# Altium PCB 3-as-manufactured.PcbDoc (part 8 of 16) (continued)
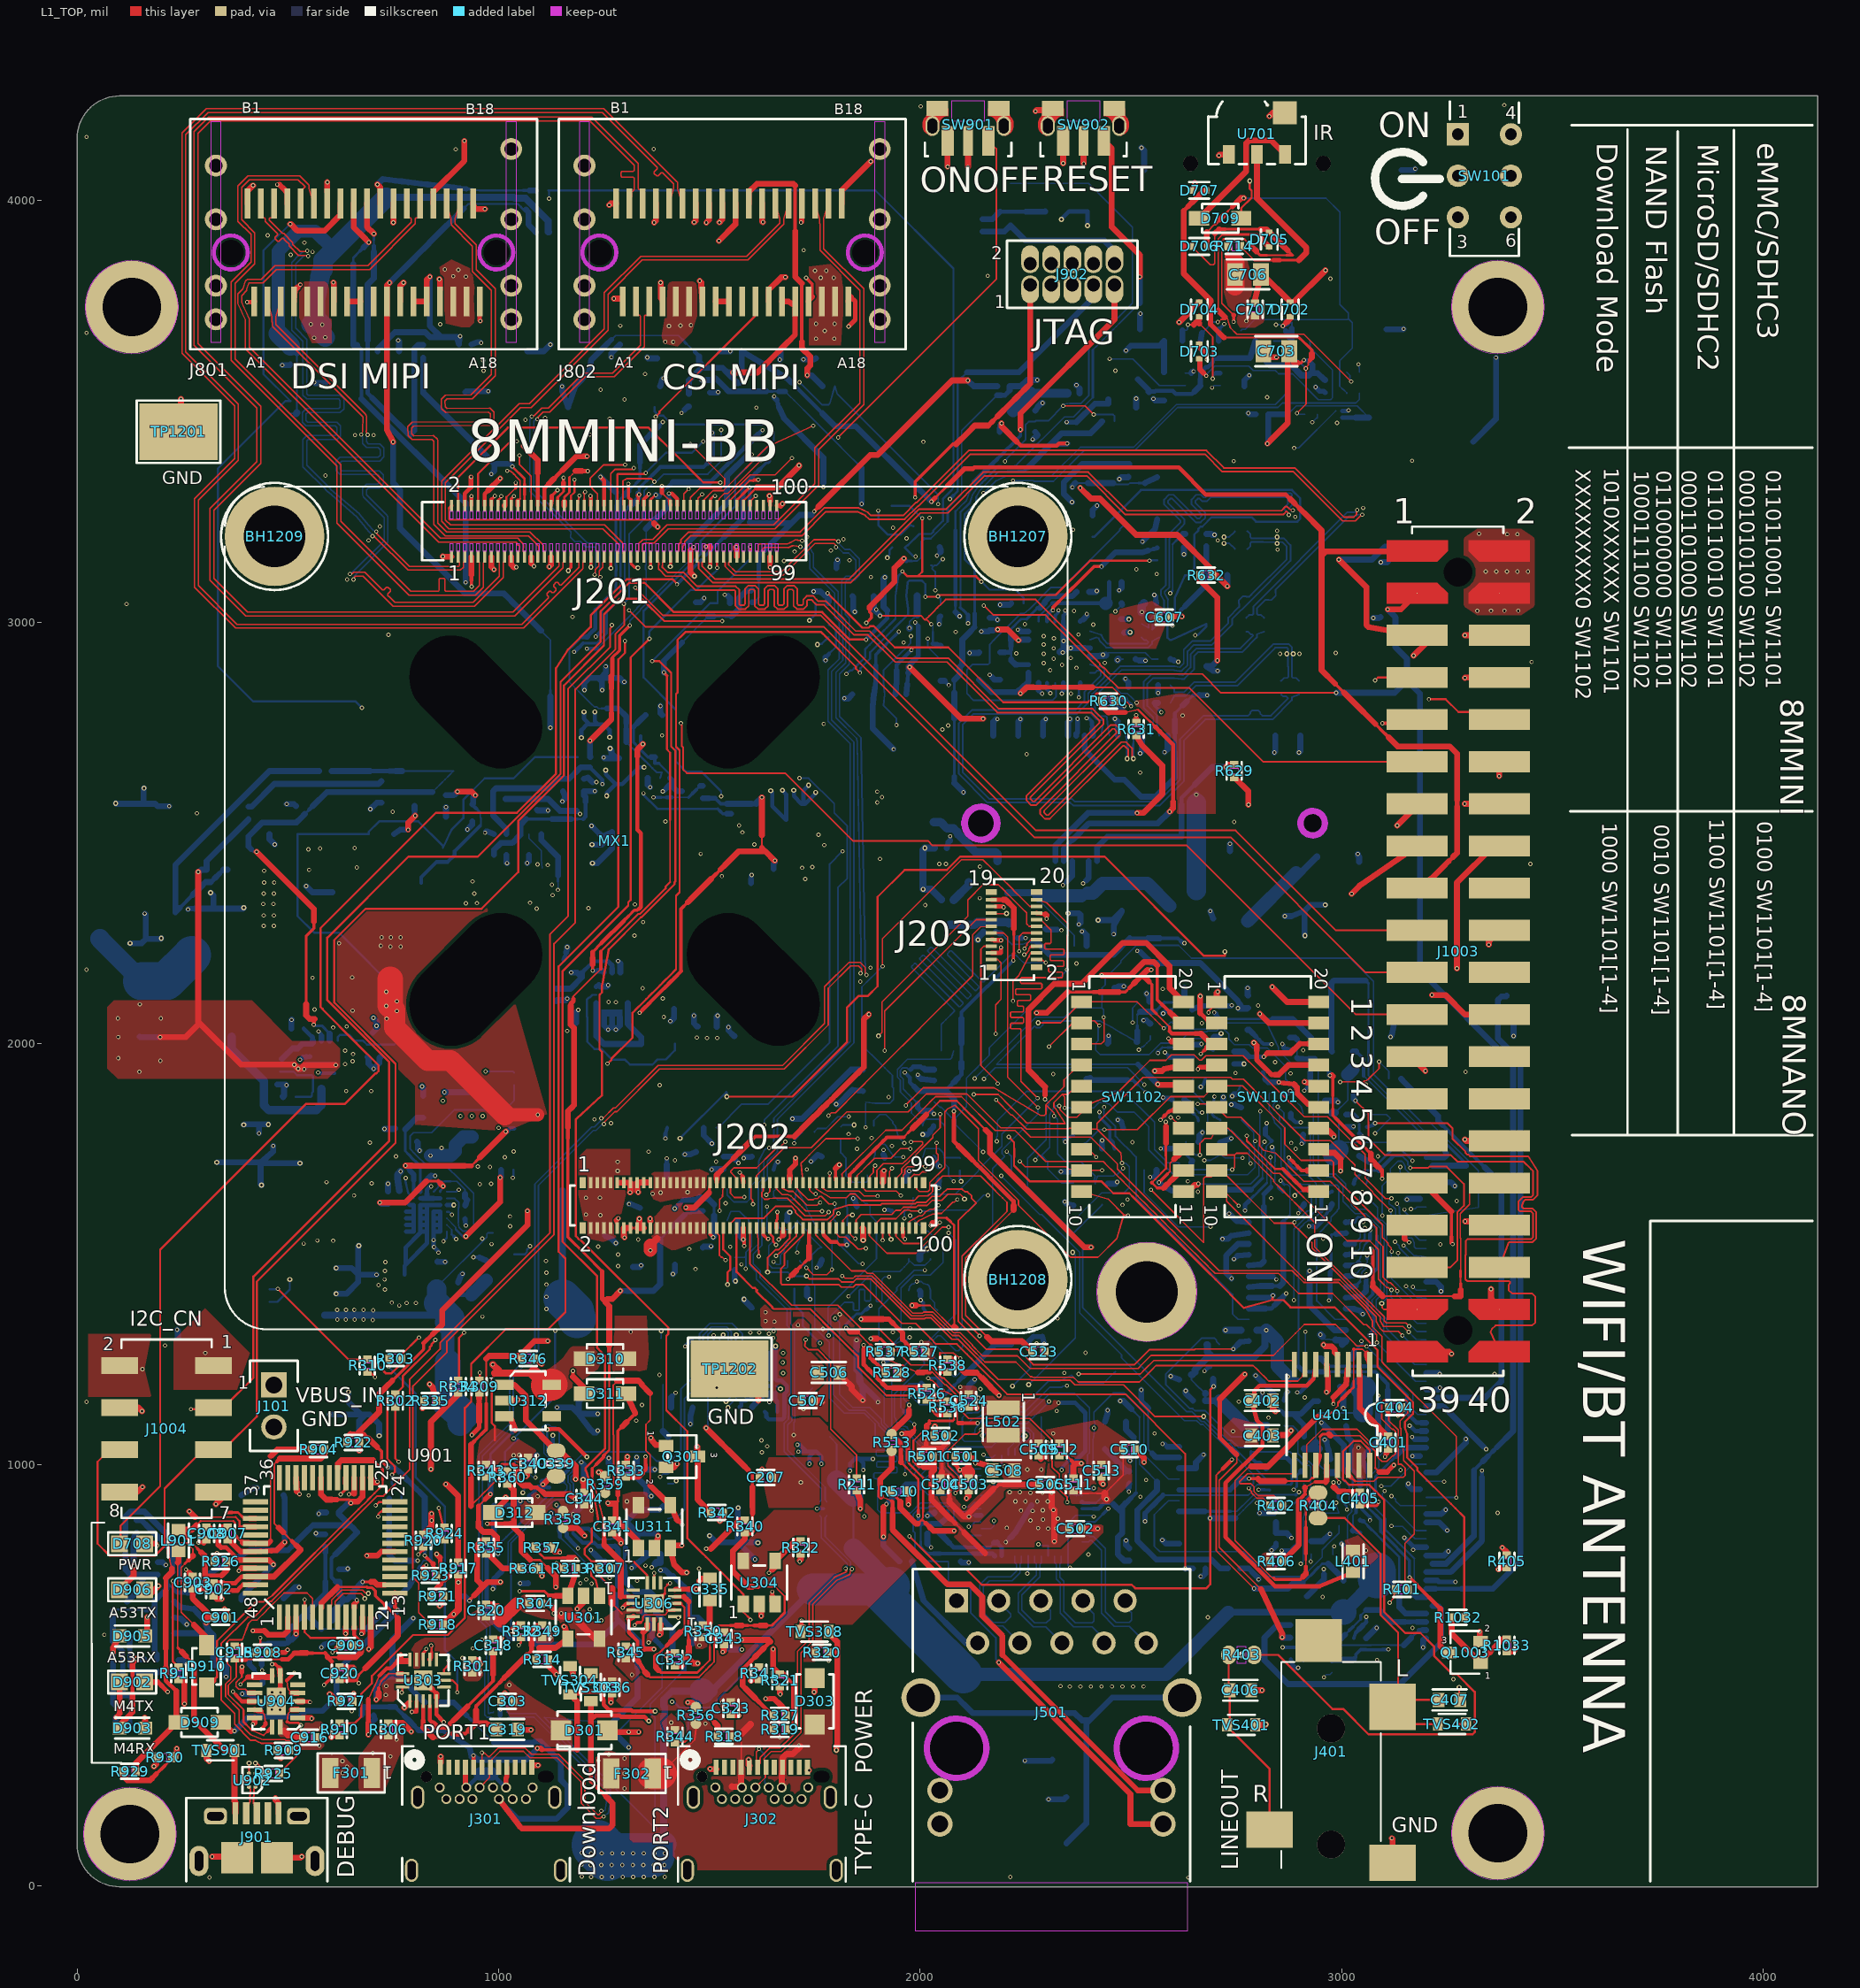
[diagram p0: L1_TOP view]
## Nets (pads, with @x,y where several pads share a name; then routed paths per layer and width w, separated by ;. In a path a pad name is that pad's centre, name@x,y a point inside that pad or via, vN(x,y) a via of type N, cw(c..) or ccw(c..) an arc to the next point about the centre after c; other vN are vias at no path point) (continued)
  L3_INT w9.96: 2215.86,3455.02 2225.7,3464.87 2235.55,3474.72 v1(2347.65,3474.72)
  L3_INT w10.99: v1(1639.06,3391.28) 1650.86,3391.28
  L3_INT w14.05: 1650.86,3391.28 1674.45,3391.28 1690.78,3407.62 2168.44,3407.62 2173.99,3413.16 2176.46,3415.62 2186.31,3425.47 2196.16,3435.32 2206.01,3445.17 2215.86,3455.02
  L8_BOT w4.85: 1479.74,3147.43 1490.8,3158.49
  L8_BOT w6.9: 1579.26,3322.67 1589.23,3332.64 ; 1629.09,3372.5 1638.45,3381.86
  L8_BOT w7.92: v1(1423,3090) 1437.39,3104.39 1437.39,3105.08 1446.57,3114.26 1457.62,3125.32 1468.68,3136.37 1479.74,3147.43 ; 1490.8,3158.49 1501.86,3169.55 ; 1512.91,3180.61 1523.97,3191.66 ; 1589.23,3332.64 1599.19,3342.6 ; 1619.13,3362.54 1629.09,3372.5
  L8_BOT w8.94: 1523.97,3191.66 1535.03,3202.72
  L8_BOT w9.96: 1501.86,3169.55 1512.91,3180.61 ; 1599.19,3342.6 1609.16,3352.57
  L8_BOT w10.99: 1609.16,3352.57 1619.13,3362.54
  L8_BOT w12.01: v1(2347.65,3474.72) 2370.71,3474.73
  L8_BOT w13.03: 1568.2,3235.9 1579.26,3246.95 1579.26,3322.67
  L8_BOT w14.05: 1535.03,3202.72 1546.09,3213.78 1557.15,3224.84 1568.2,3235.9 ; 1638.45,3381.87 1639.06,3382.48 v1(1639.06,3391.28) ; 2370.71,3474.73 2414.65,3518.66 2446.46,3518.66 R713.2@2446.44,3528.46
NetD709_C: D709.C U701.1 | length 333.7
  L1_TOP w14.05: D709.C@2661.86,3958.26 2773.63,4070.01 2773.63,4136.67 2780.34,4143.38 2832.55,4143.38 U701.1@2866.01,4109.92
NetD902_A: D902.A R902.1 | length 116.6
  L1_TOP w10.99: v1(91.05,400.59) 100.12,409.66
  L1_TOP w14.05: 100.12,409.66 D902.A@100.11,484.53
  L8_BOT w14.05: v1(91.05,400.59) 91.05,373.97 R902.1@92.7,372.33
NetD903_A: D903.A R903.1 | length 199.7
  L1_TOP w9.96: 130.71,452.57 130.71,514.38
  L1_TOP w14.05: D903.A@99.6,375.09 103.29,385.48 130.71,412.9 130.71,452.57 ; 130.71,514.38 130.71,529.84 v1(140.54,539.66)
  L8_BOT w10.99: v1(140.54,539.66) v1@142.07,539.66
  L8_BOT w14.05: v1@142.07,539.66 143.38,538.35 R903.1@159.05,538.34
NetD905_A: D905.A R915.1 | length 190.2
  L1_TOP w14.05: v1(84.73,554.86) 84.74,566.01 D905.A@99.6,593.97
  L8_BOT w14.05: v1(84.73,554.86) 84.73,434.55 95.32,423.96 R915.1@107.46,423.97
NetD906_A: D906.A R916.1 | length 151.3
  L1_TOP w14.05: D906.A@100.11,703.41 133.48,736.8 v1(133.48,759.5)
  L8_BOT w14.05: v1(133.48,759.5) 133.48,826.77 R916.1@140.63,839.01
NetD907_C: D907.C R919.1 | length 156.7
  L8_BOT w8.94: 2189.4,3974.37 2235.26,3974.37
  L8_BOT w9.96: 2235.26,3974.37 2250.55,3974.37
  L8_BOT w14.05: R919.1@2147.85,3956.42 2171.45,3956.42 2189.4,3974.37 ; 2250.55,3974.37 2296.41,3974.37 D907.C@2296.91,3974.86
NetD909_C: D909.C D910.C R929.1 | length 933
  L1_TOP w3.5: 215.79,789.13 218.55,777.25 221.3,765.36 223.92,754.06 ; 218.36,814.8 259.07,814.8 274.04,799.83 274.04,784.14
  L1_TOP w3.83: 255.15,765.26 246.36,756.47 246.36,650.43 276.44,620.35
  L1_TOP w6.9: 215.79,789.13 215.79,812.24 218.36,814.8 ; 255.15,765.26 263.94,774.04
  L1_TOP w9.96: 209.81,503.13 209.81,487.92 234.55,463.18 ; 209.81,518.35 209.81,563.99 ; 209.81,700.92 209.81,731.35
  L1_TOP w10.99: 263.94,774.04 272.73,782.83
  L1_TOP w14.05: R929.1@138.8,272.72 138.8,291.73 235.99,388.92 D909.C@239.93,388.93 234.55,394.32 234.55,463.18 ; 209.81,503.13 209.81,518.35 ; 209.81,563.99 209.81,700.92 ; 209.81,731.35 223.92,745.46 223.92,754.06 ; 272.73,782.83 274.04,784.14 ; 276.44,620.35 306.51,590.28 D910.C@306.51,571.77
NetJ501_2: J501.2 R503.2 | length 266.9
  L8_BOT w14.05: R503.2@1980.13,770.76 2008.04,677.69 2108.28,577.44 J501.2@2136.26,577.44
NetJ801_A8: J801.A8 J801.A9 | length 31.5
  L1_TOP w14.05: J801.A8@639.69,3761.22 J801.A9@671.19,3761.22
NetJ802_A8: J802.A8 J802.A9 | length 31.5
  L1_TOP w14.05: J802.A8@1514.26,3761.22 J802.A9@1545.76,3761.22
NetJ902_7: J902.7 R921.1 | length 3924.2
  L1_TOP w3.5: 860.97,757.52 880.42,738.07
  L1_TOP w5.87: R921.1@841.92,696.86 851.88,706.82
  L1_TOP w6.9: 861.85,716.78 871.81,726.74
  L1_TOP w8.94: 860.97,757.52 860.97,768.64
  L1_TOP w9.96: R921.1@839.18,687.75 R921.1@841.92,696.86
  L1_TOP w10.99: 860.97,768.64 860.97,779.76
  L1_TOP w12.01: 851.88,706.82 861.85,716.78 ; 871.81,726.74 880.42,735.36
  L1_TOP w13.03: v1(852.52,788.21) 860.97,779.76
  L1_TOP w14.05: 880.42,735.36 880.42,738.07
  L3_INT w14.05: v1(2070.31,3292.3) 2070.31,2990.65 v1(2084.23,2976.73)
  L6_INT w3.5: 1995.65,2327.27 1995.65,2360.74 1995.25,2361.13 1995.25,2370.87 1995.65,2371.26 1995.65,2484.56 1995.65,2563.21 1917.97,2640.89 1917.97,2746.95 1929.05,2758.03 1940.13,2769.12 1973.39,2802.37 1984.47,2813.45 1995.56,2824.54 2017.73,2846.71 2028.81,2857.79 2039.89,2868.88 2073.15,2902.13 2084.23,2913.21
  L6_INT w4.85: 988.3,1081.5 999.37,1092.57 ; 1043.65,1136.85 1054.72,1147.92 1065.79,1158.99 ; 1331.49,1424.69 1364.7,1457.91 ; 1473.99,1617.1 1483.64,1626.75 ; 1531.89,1721.36 1531.89,1736.81
  L6_INT w5.87: 999.37,1092.57 1010.44,1103.64 1021.51,1114.71 1032.58,1125.78 1043.65,1136.85 ; 1065.79,1158.99 1242.92,1336.13 1254,1347.2 1265.07,1358.27 1276.14,1369.34 1287.21,1380.41 1298.28,1391.48 1309.35,1402.55 1331.49,1424.69 ; 1522.24,1665.35 1531.89,1675 1531.89,1721.36
  L6_INT w7.92: 977.23,1070.43 988.3,1081.5 ; 1483.64,1626.75 1512.59,1655.7 ; 1531.89,1736.81 1620.44,1825.36 ; 1631.5,1836.43 1841.8,2046.73
  L6_INT w8.94: 966.16,917.6 966.16,1059.36 977.23,1070.43 ; 1442.2,1535.4 1453.27,1546.47
  L6_INT w9.96: 1431.13,1524.33 1442.2,1535.4
  L6_INT w13.03: 1512.59,1655.7 1522.24,1665.35
  L6_INT w14.05: v1(852.52,788.21) 966.16,901.85 966.16,917.6 ; 1364.7,1457.91 1431.13,1524.33 ; 1453.27,1546.47 1473.99,1567.19 1473.99,1617.1 ; 1620.44,1825.36 1631.5,1836.43 ; 1841.8,2046.73 1841.8,2173.43 1995.65,2327.27 ; 2084.23,2913.21 v1(2084.23,2976.73)
  L8_BOT w4.85: 2078.94,3300.93 2089.09,3311.08 2089.09,3570.99 2096.77,3578.67 2104.45,3586.34 2111.34,3593.23
  L8_BOT w7.92: v1(2070.31,3292.3) 2078.94,3300.92
  L8_BOT w14.05: 2111.34,3593.23 2234.46,3593.23 2410.96,3769.73 J902.7@2410.96,3790.18
NetJ902_9: J902.9 R922.1 R923.1 | length 4207.6
  L1_TOP w6.9: 721.8,1019.97 721.8,1008.28 728.8,1001.28 v1(735.8,994.29) ; 747.85,1200.36 758.41,1210.92 768.97,1221.48 779.53,1232.04 790.09,1242.6 800.65,1253.16 811.2,1263.71 821.76,1274.27 821.76,1288.88
  L1_TOP w7.92: 680.73,1072.74 691,1062.47 ; 711.53,1041.93 721.8,1031.67 721.8,1019.97 ; v1(824.32,784.8) 824.32,784.41 843.95,764.78
  L1_TOP w8.94: 843.95,764.77 848.4,749.91 R923.1@852.11,737.56
  L1_TOP w9.96: 656.35,1072.74 664.97,1072.74 ; 664.97,1074.44 664.97,1072.74 ; 680.73,1072.74 664.97,1072.74
  L1_TOP w10.99: 821.76,1288.88 843.61,1310.73
  L1_TOP w12.01: 647.72,1072.74 656.35,1072.74
  L1_TOP w13.03: 737.29,1189.8 747.85,1200.36 ; 843.61,1310.73 854.54,1321.65
  L1_TOP w14.05: R922.1@640.12,1052.99 640.12,1065.13 647.72,1072.74 ; 664.97,1074.44 716.17,1125.65 716.17,1168.68 726.73,1179.24 737.29,1189.8 ; 691,1062.47 701.27,1052.2 711.53,1041.93 ; 854.54,1321.65 865.46,1332.57 865.46,1366.26 1068.03,1568.83 v1(1068.03,1602.52) ; v1(2238.02,3456.92) 2238.02,3495.51 2460.96,3718.46 J902.9@2460.96,3790.18
  L6_INT w3.5: 1909.88,2629.58 1909.88,2758.26
  L6_INT w3.83: 1909.88,2629.58 1920.17,2619.29 1971.64,2567.82 ; 1909.88,2758.26 1920.95,2769.33
  L6_INT w5.87: 1429,2303.6 1429,1998.45 1438.94,1988.52
  L6_INT w6.9: 1429,2303.6 1456.4,2331
  L6_INT w9.96: 1438.94,1973.04 1438.94,1988.52
  L6_INT w14.05: v1(1068.03,1602.52) 1068.03,1602.67 1076.27,1610.91 1123.24,1610.91 ; 1123.25,1610.92 1438.94,1926.61 1438.94,1973.04 ; 1456.4,2331 1769.98,2331 1971.72,2532.74 1971.72,2567.74 1971.64,2567.82 ; 1920.95,2769.33 2064.89,2913.27 2064.89,2985.55 v1(2093.58,3014.23)
  L8_BOT w3.5: 2109.97,3288.92 2113.15,3297.87 2116.33,3306.81
  L8_BOT w3.83: 2083.68,3262.63 2092.44,3271.39 2109.97,3288.92 ; 2116.33,3306.81 2122.3,3315.33 2128.27,3323.85 2128.27,3332.82
  L8_BOT w5.87: 2083.68,3024.13 2083.68,3039.04 ; 2083.68,3217.91 2083.68,3262.63
  L8_BOT w6.9: 2083.68,3039.04 2083.68,3053.95
  L8_BOT w7.92: v1(824.32,784.8) 824.32,830.91 ; 2183.15,3387.69 2194.12,3398.66 2205.1,3409.64 2216.07,3420.61 2227.05,3431.59 2238.02,3442.56 v1(2238.02,3456.92)
  L8_BOT w8.94: 2083.68,3053.95 2083.68,3113.57 2083.68,3217.91
  L8_BOT w9.96: 2172.17,3376.71 2183.15,3387.69
  L8_BOT w10.99: 2161.2,3365.74 2172.17,3376.71
  L8_BOT w12.01: 744.47,994.29 753.15,994.29 763.32,984.12 ; 783.65,963.79 793.82,953.62 803.99,943.45
  L8_BOT w13.03: v1(735.8,994.29) 744.47,994.29 ; 803.99,943.45 814.15,933.29 ; 2128.27,3332.82 2161.2,3365.74
  L8_BOT w14.05: 763.32,984.12 773.49,973.95 783.65,963.79 ; 814.15,933.29 824.32,923.12 824.32,830.91 ; 2083.68,3024.13 v1(2093.58,3014.23)
NetJ1001_2: J1001.2 R1028.1 | length 400.3
  L8_BOT w3.5: 3052.12,1923.45 3207.87,1767.7
  L8_BOT w7.92: R1028.1@3034.83,1980.85 3052.11,1963.56 3052.11,1923.46 ; 3221.36,1767.7 3239.88,1749.18
  L8_BOT w12.01: J1001.2@3200.73,1729.81 J1001.2@3215.14,1729.8 ; 3207.87,1767.7 3221.36,1767.7 ; 3239.88,1749.18 3249.14,1739.92 3249.14,1734.96
  L8_BOT w14.05: R1028.1@3027.05,1980.85 R1028.1@3034.83,1980.85 ; J1001.2@3215.7,1729.8 3243.98,1729.8 3249.14,1734.96
NetJ1001_3: J1001.3 R1027.1 | length 878.4
  L8_BOT w3.5: 3063.77,1923.96 3207.34,1780.39 3230.1,1780.39
  L8_BOT w3.83: 3063.77,1923.96 3063.77,1970.77
  L8_BOT w4.85: 3063.77,2017.59 3063.77,2142.44
  L8_BOT w6.9: 3056.49,2149.72 3063.77,2142.44 ; 3063.77,1970.77 3063.77,2017.59 ; 3230.1,1780.39 3295.34,1715.15 3295.34,1710.13
  L8_BOT w14.05: R1027.1@2977.28,1980.85 2975.37,1982.76 2975.37,2143.02 2982.07,2149.72 3056.49,2149.72 ; J1001.3@3215.7,1710.12 3295.33,1710.12
NetJ1001_31: J1001.31 R1009.1 | length 996.3
  L8_BOT w7.92: 3239.8,1805.9 3339.92,1705.78
  L8_BOT w13.03: 3228.86,1816.84 3239.8,1805.9
  L8_BOT w14.05: R1009.1@3141.33,1916.27 3143.31,1914.27 3143.31,1913.3 3228.86,1827.74 3228.86,1816.84 ; J1001.31@3215.7,1158.94 3340.17,1158.94 3379,1197.76 3379,1666.7 3339.92,1705.78
NetJ1001_34: J1001.34 R1010.1 | length 346.5
  L8_BOT w6.9: 2983.99,1234.13 3042.57,1234.13 ; 3071.86,1234.13 3086.5,1234.13
  L8_BOT w7.92: 2969.34,1234.13 2983.99,1234.13 ; 3057.21,1234.13 3071.86,1234.13 ; 3086.5,1234.13 3096.3,1224.33 3106.1,1214.53 3155.11,1165.52 3155.11,1123.02
  L8_BOT w8.94: 2960.3,1243.17 2969.34,1234.13 ; 3042.57,1234.13 3057.21,1234.13
  L8_BOT w9.96: 3155.11,1123.02 3162.82,1115.31 3170.52,1107.6 3178.23,1099.89
  L8_BOT w10.99: 3178.24,1099.88 J1001.34@3189.48,1099.88
  L8_BOT w14.05: R1010.1@2942.27,1252.21 2951.27,1252.2 2960.3,1243.17 ; J1001.34@3189.48,1099.88 J1001.34@3200.73,1099.89
NetJ1001_35: J1001.35 R1011.1 | length 441.8
  L3_INT w5.87: v1(2886.1,941.14) 2896.37,951.41
  L3_INT w8.94: 3027.68,1055.29 3028.86,1054.11 3043.76,1054.11 ; 3103.34,1054.11 3122.11,1054.11 3145.05,1077.05 3145.5,1077.05 v1(3161.45,1093)
  L3_INT w9.96: 3043.76,1054.11 3058.65,1054.11
  L3_INT w12.01: 2896.37,951.41 2906.64,961.68
  L3_INT w14.05: 2906.64,961.68 2947.72,1002.76 2957.99,1013.03 2999.07,1054.11 3013.96,1054.11 3015.14,1055.29 3027.68,1055.29 ; 3058.65,1054.11 3103.34,1054.11
  L8_BOT w5.87: v1(2886.1,941.14) 2893.54,948.59 2893.54,974.48
  L8_BOT w6.9: 2893.54,974.48 R1011.1@2903.8,984.74
  L8_BOT w9.96: v1(3161.45,1093) 3174.22,1080.23 J1001.35@3187.81,1080.23
  L8_BOT w14.05: R1011.1@2903.8,984.74 R1011.1@2910.92,984.74 ; J1001.35@3187.84,1080.2 J1001.35@3200.73,1080.21
NetJ1001_36: J1001.36 R1012.1 | length 461.2
  L3_INT w7.92: v1(3167,1066) 3167.56,1066 3176.12,1057.44 3176.44,1057.44
  L3_INT w13.03: v1@3000.08,812.49 3013.51,812.49 ; 3094.44,853.14 3104.6,863.3 3114.76,873.46 ; 3145.69,904.39 3156,914.7
  L3_INT w14.05: 3013.51,812.49 3053.8,812.49 ; 3053.81,812.5 3074.12,832.82 3084.28,842.98 3094.44,853.14 ; 3114.76,873.46 3125.07,883.77 3145.69,904.39 ; 3156,914.7 3166.31,925.01 3176.62,935.32 3186.93,945.63 3197.24,955.94 3207.55,966.25 3217.86,976.56 3217.86,1016.01 3217.82,1016.06 3207.48,1026.4 3197.13,1036.75 3186.78,1047.1 3176.44,1057.44
  L8_BOT w9.96: v1(3167,1066) 3172.5,1060.51 3173.37,1060.51
  L8_BOT w14.05: v1(3000.08,812.49) 3007.5,805.07 3007.5,790.54 R1012.1@3008.62,787.36 ; 3173.37,1060.51 J1001.36@3200.73,1060.52
NetJ1001_37: J1001.37 R1013.1 | length 393.4
  L3_INT w3.83: 3016.29,879.71 3027.2,890.63 3038.12,901.54 3049.03,912.45
  L3_INT w5.87: 2981.95,846.97 2983.54,846.97 2994.46,857.88 3005.38,868.8 3016.29,879.71
  L3_INT w7.92: v1(2972,835.98) 2972,836.54 2981.95,846.49 2981.95,846.97
  L3_INT w8.94: 3049.03,912.45 3059.58,923 v1(3078,923)
  L8_BOT w4.85: 3109.82,1001.97 3119.53,1011.68
  L8_BOT w5.87: 3080.67,937.3 3080.67,972.82 3109.82,1001.97
  L8_BOT w6.9: 3119.53,1011.68 3129.25,1021.4
  L8_BOT w9.96: v1(3078,923) 3078.01,934.64 3080.67,937.3
  L8_BOT w13.03: 3161.69,1040.83 3174.7,1040.83
  L8_BOT w14.05: R1013.1@2927.51,818.73 2954.74,818.72 v1(2972,835.98) ; 3129.25,1021.4 3148.68,1040.83 3161.69,1040.83 ; 3174.7,1040.83 J1001.37@3200.73,1040.84
NetJ1001_46: J1001.46 R1003.1 R1004.1 | length 895.2
  L6_INT w5.87: 3174.44,578.95 3205.2,578.95 ; 3236.61,793.67 3247.34,782.93
  L6_INT w6.9: 3247.34,782.93 3258.08,772.2
  L6_INT w14.05: v1(3111,562) 3127.95,578.95 3174.44,578.95 ; 3205.2,578.95 3374.4,578.95 3435.93,578.95 3440.58,583.6 3440.58,589.7 3429.84,600.43 3419.1,611.17 3408.37,621.9 3397.63,632.64 3386.9,643.38 3376.16,654.11 3365.43,664.85 3311.75,718.52 3301.02,729.26 3290.28,739.99 3279.55,750.73 3268.81,761.46 3258.08,772.2 ; 3236.61,793.67 3236.61,801.46 3250.33,815.18 v1(3250.33,844.43)
  L8_BOT w6.9: 3057.33,561.3 3097.32,561.3
  L8_BOT w7.92: R1004.1@3028.87,538.34 3033.91,543.38 3033.91,549.97 3045.24,561.3 3057.33,561.3 ; 3097.32,561.3 3097.62,561.6 3110.6,561.6 v1(3111,562)
  L8_BOT w14.05: R1003.1@2977.28,536.5 2978.21,537.42 3027.95,537.42 R1004.1@3028.87,538.34 ; J1001.46@3200.73,863.67 3231.09,863.66 v1(3250.33,844.43)
NetJ1001_52: J1001.52 R1019.1 | length 1336.8
  L6_INT w3.83: 3110.54,1694.72 3119.32,1694.72 3331.67,1482.37 3331.67,1407.8 ; 3331.67,1018.81 3331.67,1049.93
  L6_INT w6.9: 3086.52,1694.72 3110.54,1694.72
  L6_INT w13.03: v1(3049.9,1778.6) 3058.28,1770.23
  L6_INT w14.05: 3058.28,1770.23 3068.94,1759.57 3068.94,1712.31 3086.52,1694.72 ; 3331.67,1018.81 3331.67,987.68 v1(3333.1,986.25) ; 3331.67,1049.93 3331.67,1407.8
  L8_BOT w5.87: 3041.82,1816.15 3041.88,1801.36 3041.93,1786.57
  L8_BOT w8.94: 3333.1,970.78 v1(3333.1,986.25)
  L8_BOT w10.99: 3034.19,1823.78 3041.82,1816.15 ; 3041.93,1786.57 v1(3049.9,1778.6)
  L8_BOT w14.05: R1019.1@3010.45,1831.42 3026.55,1831.42 3034.19,1823.78 ; J1001.52@3200.73,745.56 3258.55,745.55 3333.1,820.11 3333.1,970.78
NetJ1001_53: J1001.53 R1020.1 | length 338.7
  L3_INT w14.05: v1(3083,613) 3192.43,722.43 v1(3270.08,722.43)
  L8_BOT w10.99: 3226.55,725.87 3229.99,722.43 v1(3270.08,722.43)
  L8_BOT w14.05: R1020.1@3058.39,588.15 3058.39,589.14 3082.24,613 v1(3083,613) ; J1001.53@3200.73,725.88 3226.55,725.87
NetJ1001_54: J1001.54 R1021.1 | length 1630.3
  L8_BOT w9.96: J1001.54@3222.72,706.18 3285.01,706.18
  L8_BOT w14.05: J1001.54@3200.73,706.19 J1001.54@3222.72,706.18 ; 3285.01,706.18 3359.18,706.18 3424.11,771.11 3424.11,1958.92 3370.56,2012.48 3370.56,2103.14 3379.09,2111.67 3390.04,2111.67 R1021.1@3391.99,2113.65
NetJ1001_55: J1001.55 R1022.1 | length 1288.9
  L8_BOT w3.5: 2897.92,1233.23 2897.92,1341.65 2897.92,1558.5 ; 2908.47,1569.05 2908.47,1569.91 2912.22,1573.66 2921.41,1580.73 ; 3104.8,871.92 3095.56,881.17 3086.31,890.41 3067.25,909.48 3067.25,973 3088.39,994.14 3088.39,1019.59 3098.55,1029.75 3107.45,1029.75 3109.43,1027.77 3110.85,1029.19 3110.85,1033.81
  L8_BOT w3.83: 2897.92,1558.5 2904.95,1565.53 2908.47,1569.05 ; 3172.17,691.8 3172.17,777.91
  L8_BOT w4.85: 2931,1580.73 2951.66,1601.39 ; 3104.8,871.92 3104.8,845.28 3114.42,835.66 3124.05,826.03 3133.67,816.41 3143.3,806.78 3172.17,777.91
  L8_BOT w5.87: 2921.41,1580.73 2931,1580.73 ; 2962.49,1642.14 R1022.1@2969.89,1645.47
  L8_BOT w6.9: 2956.61,1220.92 2987.54,1220.92 ; 3033.92,1220.92 3064.85,1220.92
  L8_BOT w7.92: 2910.22,1220.92 2941.15,1220.92 ; 2987.54,1220.92 3018.46,1220.92 ; 3064.85,1220.92 3080.31,1220.92
  L8_BOT w8.94: 2951.66,1601.39 2951.66,1631.31 2962.49,1642.14 ; R1022.1@2969.89,1645.47 R1022.1@2977.28,1648.8 ; 3018.46,1220.92 3033.92,1220.92 ; 3080.31,1220.92 3090.02,1211.22 3099.73,1201.51 3109.43,1191.8 3109.43,1177.31
  L8_BOT w10.99: 2904.07,1227.08 2910.22,1220.92
  L8_BOT w12.01: 2897.92,1233.23 2904.07,1227.08 ; 2941.15,1220.92 2956.61,1220.92
  L8_BOT w14.05: 3109.43,1177.31 3109.43,1035.23 3110.85,1033.81 ; 3172.17,691.8 3177.48,686.5 J1001.55@3200.73,686.51
NetJ1001_56: J1001.56 R1023.1 | length 712.6
  L8_BOT w14.05: R1023.1@2877.74,619.51 2846.51,619.51 2817,590 2817,536 2873.14,479.86 3137.93,479.86 3235.76,577.68 3235.76,657.54 3228.13,665.17 J1001.56@3215.7,665.17
NetJ1001_57: J1001.57 R1024.1 | length 317.9
  L8_BOT w4.85: R1024.1@3051.69,866.1 3062.33,855.46 ; 3072.97,844.83 3094.25,823.55
  L8_BOT w5.87: 3094.25,823.55 3136.8,780.99 3136.8,706.63
  L8_BOT w6.9: 3062.33,855.46 3072.97,844.83
  L8_BOT w10.99: R1024.1@3043.63,868.53 R1024.1@3051.69,866.1
  L8_BOT w14.05: 3136.8,706.63 3136.8,662 3151.68,647.13 J1001.57@3200.73,647.13
NetJ1001_58: J1001.58 R1025.1 | length 286.5
  L8_BOT w4.85: 3008.63,597.29 3017.76,606.42 ; 3026.9,615.56 3045.17,633.83 ; 3045.17,642.52 3058.2,655.55
  L8_BOT w7.92: 3017.76,606.42 3026.9,615.56 ; 3045.17,633.83 3045.17,642.52
  L8_BOT w10.99: 3164.63,627.44 J1001.58@3178.74,627.44
  L8_BOT w12.01: 3150.51,627.44 3164.63,627.44
  L8_BOT w13.03: 2999.49,588.15 3008.63,597.29
  L8_BOT w14.05: R1025.1@2958.86,588.15 2999.49,588.15 ; 3058.2,655.55 3090.31,655.55 3118.41,627.44 3150.51,627.44 ; J1001.58@3178.74,627.44 J1001.58@3200.73,627.45
NetJ1001_59: J1001.59 R1026.1 | length 321.8
  L8_BOT w3.5: 2944.69,572.2 3069.85,572.2 3070.4,572.75 3115.45,572.75 3116,572.2 3147.46,572.2
  L8_BOT w5.87: 3165.23,589.98 3175.69,600.43 3176.39,600.43 3183.01,607.05 J1001.59@3183.01,607.75
  L8_BOT w6.9: 2936.23,563.74 2944.69,572.2
  L8_BOT w9.96: J1001.59@3183.01,607.75 J1001.59@3191.86,607.75
  L8_BOT w14.05: R1026.1@2909.09,538.34 2911.07,540.32 2911.07,541.31 2933.49,563.74 2936.23,563.74 ; 3147.46,572.2 3165.23,589.98 ; J1001.59@3191.87,607.76 J1001.59@3200.73,607.77
NetJ1003_35: J1003.35 R1017.2 | length 616.1
  L1_TOP w4.2: v1(3163,1705) 3205.4,1705 3208.25,1707.85 3249.08,1707.85 3290,1666.94 3290,1614.7 3274.45,1599.15 3274.45,1535.52 3274.53,1535.44 3274.53,1485.33 3257.99,1468.78 J1003.35@3179.19,1468.79
  L8_BOT w3.83: 3121.91,1732.34 3144.09,1732.34 3157.37,1719.06 3157.37,1712.3 3163,1706.67 v1(3163,1705)
  L8_BOT w5.87: 3053.37,1698.84 3088.41,1698.84
  L8_BOT w6.9: 3031.92,1677.39 3053.37,1698.84
  L8_BOT w8.94: 3088.68,1699.1 3121.91,1732.34
  L8_BOT w9.96: R1017.2@3028.87,1667.25 3031.92,1677.39
  L8_BOT w14.05: 3088.41,1698.84 3088.67,1699.1
NetJ1003_36: J1003.36 R1014.1 | length 818.8
  L1_TOP w4.2: v1(3079.16,1811.12) 3250.54,1811.12 3263.15,1798.52 3263.15,1773.97 3293.82,1743.3 3293.82,1740.58 3298.36,1736.04 3301.08,1736.04 3305.11,1732 3443,1732 3465,1696.96 3465,1640.58 3453.26,1628.84 3435.03,1628.84 3432.29,1626.1 3428.29,1615.29 3428.29,1611.83 3429.26,1610.86 3431.38,1608.74 3452.76,1608.74 3461.87,1599.64 3461.87,1537.45 3452.91,1528.49 3397.89,1528.49 3395.15,1525.75 J1003.36@3374.07,1468.79
  L8_BOT w8.94: R1014.1@3060.22,1801.9 3074.1,1806.07
  L8_BOT w9.96: 3074.1,1806.07 v1(3079.16,1811.12)
NetJ1003_37: J1003.37 R1018.2 | length 358.6
  L1_TOP w3.5: v2(3095,1383.23) 3096.32,1381.92 3096.32,1372.68 3100.21,1368.79 J1003.37@3179.19,1368.79
  L8_BOT w3.5: R1018.2@3072.84,1624.38 3072.84,1623.38 3085.51,1610.71 3085.51,1586.79 3091.77,1580.54 3096.1,1580.54 3107.25,1569.39 3107.25,1395.48 v2(3095,1383.23)
NetJ1003_38: J1003.38 R1015.1 | length 744.3
  L1_TOP w14.05: v1(3354.41,1417.05) 3354.41,1395.32 3355.94,1393.78 J1003.38@3374.07,1368.79
  L3_INT w8.94: v1(2903,1812.76) 2903.2,1812.96 2903.96,1812.96 2905.46,1814.46 2929.57,1814.46
  L3_INT w12.01: 2929.57,1814.46 2942.48,1814.46
  L3_INT w14.05: 2942.48,1814.46 2986.78,1814.46 3068.94,1732.3 v1(3085.99,1732.3)
  L6_INT w4.85: 3120.82,1710.05 3120.82,1709.02 3179.29,1650.55 3180.33,1650.55 3343.27,1487.61
  L6_INT w8.94: 3343.27,1487.61 3345.9,1484.98
  L6_INT w14.05: v1(3085.99,1732.3) 3098.58,1732.3 3120.82,1710.05 ; 3345.9,1484.98 3354.41,1476.47 v1(3354.41,1417.05)
  L8_BOT w7.92: 2889.12,1814.46 2890.42,1813.16 2902.6,1813.16 v1(2903,1812.76)
  L8_BOT w9.96: R1015.1@2879.59,1823.99 2889.12,1814.46
  L8_BOT w14.05: R1015.1@2879.59,1823.99 R1015.1@2879.59,1833.27
NetJ1003_40: J1003.40 R1016.1 | length 1445.7
  L1_TOP w4.2: v1(3032.6,1864.4) 3063.91,1833.09 3063.91,1773.69 3072.36,1765.24 3072.59,1765.24 3102.66,1735.17 3259.24,1735.17 3274.78,1719.63 3431.69,1719.63 3449.43,1701.89 3449.93,1701.89 3454.67,1697.15 3454.67,1640.43 3450.27,1636.04 3430.86,1636.04 3419.1,1624.28 3419.1,1605.35 3422.91,1601.54 3449.78,1601.54 3454.67,1596.65 3454.67,1540.43 3449.93,1535.69 3298.36,1535.69 3294.21,1531.54 3294.21,1497.89 3293.47,1497.15 3293.47,1440.43 3294.21,1439.69 3294.21,1437.95 3296.45,1437.95 3298.36,1436.04 3398.04,1436.04 3400.1,1433.99 3400.1,1430.76 3398.06,1430.76 3396.2,1425.92 3396.2,1415.05 3404.43,1406.82 3409.31,1406.82 3451.91,1406.82 3459.54,1399.19 3459.54,1338.39 3451.91,1330.76 3365.06,1330.76 3356.06,1321.76 3353.51,1315.13 J1003.40@3374.07,1268.79
  L8_BOT w14.05: R1016.1@3028.87,1883.07 3028.88,1868.13 v1(3032.6,1864.4)
NetQ102_3: Q102.3 R129.2 | length 511
  L6_INT w7.92: v1(1192.57,2545.05) 1207.24,2545.05 ; 1357.25,2574.47 v1(1367.06,2584.28)
  L6_INT w14.05: 1207.24,2545.05 1327.83,2545.05 1337.64,2554.86 1347.44,2564.66 1357.25,2574.47
  L8_BOT w3.5: 1411.1,2584.28 1450.52,2584.28
  L8_BOT w5.87: 1384.82,2584.28 1397.96,2584.28 ; 1468.8,2602.55 R129.2@1477.94,2611.69
  L8_BOT w6.9: 1450.52,2584.28 1459.66,2593.42
  L8_BOT w7.92: 1185.11,2552.1 1192.17,2545.05 v1(1192.57,2545.05) ; v1(1367.06,2584.28) 1384.82,2584.28
  L8_BOT w8.94: 1397.96,2584.28 1411.1,2584.28 ; 1459.66,2593.42 1468.8,2602.55
  L8_BOT w14.05: Q102.3@1015.53,2580.33 1116.93,2580.34 1145.17,2552.1 1185.11,2552.1 ; R129.2@1477.94,2611.69 R129.2@1484.31,2611.69
NetQ903_1: Q903.1 R137.2 R139.1 | length 370.2
  L1_TOP w14.05: v1(901.66,2597.65) 936,2597.65 v1(944.45,2589.2)
  L8_BOT w3.83: 955.32,2516.69 957.3,2518.67 957.3,2535.59 956.04,2536.84 956.04,2547.97
  L8_BOT w5.87: 946.46,2557.56 956.04,2547.97
  L8_BOT w8.94: R137.2@815.94,2381.11 815.94,2394.44 852.66,2431.15 878.94,2431.15 895.32,2447.54 895.32,2456.7 955.32,2516.69 ; R139.1@936.87,2567.15 946.46,2557.56
  L8_BOT w14.05: Q903.1@874.82,2589.23 893.24,2589.23 v1(901.66,2597.65) ; R139.1@936.87,2567.15 938.98,2569.25 938.98,2583.73 v1(944.45,2589.2)
NetQ903_3: Q903.3 R138.2 | length 100.6
  L1_TOP w14.05: v1(784.84,2507.28) 784.84,2524.01 v1(801.55,2540.72)
  L8_BOT w9.96: v1@799.9,2542.36 v1(801.55,2540.72)
  L8_BOT w13.03: v1@799.9,2542.36 Q903.3@799.9,2553.04
  L8_BOT w14.05: R138.2@751.23,2497.33 766.47,2507.28 v1(784.84,2507.28) ; Q903.3@799.9,2553.04 Q903.3@799.88,2563.73
NetQ1001_3: Q1001.3 R1001.1 R1030.1 R1034.2 | length 2409.4
  L3_INT w3.5: 2957.85,797.57 2967.84,807.56 2977.83,817.55 2986.46,817.55 2995.94,827.03 3024.37,855.45 ; 3121.31,982.65 3125.89,982.65 3130.34,987.11 3139.11,987.11 v1(3139.9,987.9)
  L3_INT w4.85: 3092.69,1153.53 3103.48,1164.32 ; 3122.16,1040.51 3125.12,1040.51 3172.88,1088.27 3172.88,1089 3177.48,1093.6 ; 3125.06,1185.9 3135.85,1196.69 ; 3135.86,1196.69 3146.04,1186.52 3156.22,1176.34 3166.39,1166.17 3176.57,1155.99 3196.92,1135.63 3196.92,1125.46
  L3_INT w5.87: 3081.9,1142.74 3092.69,1153.53 ; 3111.54,992.44 3111.54,1004.92
  L3_INT w6.9: 3111.54,1004.92 3115.45,1008.83 3115.45,1025.99 3111.54,1029.89
  L3_INT w7.92: 3111.54,992.44 3121.31,982.66 ; 3111.54,1029.89 3122.16,1040.51
  L3_INT w13.03: 3024.37,855.45 3025.03,855.45 ; 3094.26,879.59 3104.78,890.1 3115.29,900.61 3135.51,920.83
  L3_INT w14.05: v1(2957.85,752.57) 2957.85,797.57 ; v1(3004,1135) 3004,1134.32 3027.95,1110.37 3049.53,1110.37 3071.11,1131.95 3081.9,1142.74 ; 3025.03,855.45 3064.96,873.71 ; v1(3067.45,868.44) 3064.96,870.93 3064.96,873.71 ; 3094.26,879.59 3076.27,879.59 3064.96,873.71 ; 3103.48,1164.32 3114.27,1175.11 3125.06,1185.9 ; 3121.31,982.65 3135.51,968.46 3135.51,920.83 ; 3177.48,1093.6 3196.92,1113.05 3196.92,1125.46
  L6_INT w3.5: 3240.09,989.47 3249.3,989.47 3364.77,874 3376.33,874 3384.73,882.41 3384.73,1466.99 3243.25,1608.48
  L6_INT w7.92: v1(3168.28,1721.86) 3178.99,1711.15
  L6_INT w9.96: v1(3139.9,987.9) 3149.59,987.9 3151.15,989.47
  L6_INT w13.03: 3178.99,1711.15 3189.69,1700.44
  L6_INT w14.05: 3151.15,989.47 3240.09,989.47 ; 3189.69,1700.44 3189.69,1662.03 3243.25,1608.48
  L8_BOT w4.85: 3148.11,1741.93 3158.14,1731.9 v1@3168.18,1721.86
  L8_BOT w5.87: 3073.28,1714.09 3085.71,1714.09 3123.12,1751.49 ; 3138.55,1751.49 3148.11,1741.93
  L8_BOT w7.92: 2957.85,740.28 v1(2957.85,752.57) ; 3047.56,911.41 3047.56,895.44 3067.45,875.55 ; v1@3168.18,1721.86 v1(3168.28,1721.86)
  L8_BOT w9.96: v1(3067.45,868.44) 3067.45,875.55
  L8_BOT w10.99: R1030.1@3043.63,922.02 3047.56,911.41
  L8_BOT w14.05: Q1001.3@2917.61,687.75 2957.85,727.99 2957.85,740.28 ; R1034.2@2996.66,1185.58 3004,1178.24 v1(3004,1135) ; R1001.1@3041.49,1733.44 3072.99,1714.1 3073.28,1714.09 ; 3123.12,1751.49 3138.55,1751.49
NetQ1002_1: Q1002.1 Q1003.3 R1031.2 | length 1895.9
  L1_TOP w5.87: 2978.97,1844.8 2978.97,1875.79
  L1_TOP w6.9: 2978.97,1829.31 2978.97,1844.8 ; 2978.97,1875.79 2978.97,1922.26 ; v1(3161.26,733) 3161.64,733 3176.37,718.27 3176.37,718.21 3177.39,717.18
  L1_TOP w7.92: 2978.97,1829.31 2989.04,1819.24 3009.18,1799.1 3019.26,1789.03 3039.4,1768.88 3049.47,1758.81 3069.61,1738.67
  L1_TOP w8.94: 3095.2,1697.08 3096.22,1696.06 v1(3096.22,1679.31) ; 3177.39,717.18 3177.39,715.61 3234.17,658.83
  L1_TOP w9.96: v1(2972.02,1924.25) v1@2976.98,1924.25
  L1_TOP w10.99: 3088.1,1706.32 3095.2,1699.23 3095.2,1697.08
  L1_TOP w14.05: v1@2976.98,1924.25 2978.97,1922.26 ; 3069.61,1738.67 3069.61,1724.81 3088.1,1706.32 ; 3234.17,658.83 3234.17,570.15 3242.4,561.92 3248.01,561.92 Q1003.3@3254.99,554.94
  L6_INT w3.5: 3115.22,1651.17 3146.73,1619.65 3149.92,1616.93 3157.97,1618.17 3166.03,1619.4
  L6_INT w3.83: 3261.97,1541.69 3284.16,1519.5
  L6_INT w4.85: 3166.03,1619.4 3175.51,1619.4 3184.26,1619.4 3261.97,1541.69 ; 3284.16,1519.5 3317.45,1486.21 3317.45,1470.71
  L6_INT w14.05: v1(3086.88,1164.37) 3228.68,1306.17 3228.68,1344.06 3317.45,1432.83 3317.45,1470.71 ; v1(3096.22,1679.31) 3097.34,1678.19 3097.34,1669.05 3115.22,1651.17
  L8_BOT w3.5: 2893.77,1966.37 2893.77,2010.18 ; 3059.73,901.93 3059.73,984.88
  L8_BOT w3.83: 2936.18,1963.95 v1@2972.02,1928.11
  L8_BOT w5.87: 3059.73,901.93 3082,879.67
  L8_BOT w6.9: 3093.13,841.17 3102.82,831.49 3160.91,773.4 3160.91,763.17
  L8_BOT w7.92: 3082,879.67 3093.13,868.53 3093.13,841.17 ; 3086.88,1155.41 v1(3086.88,1164.37) ; 3160.91,763.17 3160.91,733.35 v1(3161.26,733)
  L8_BOT w12.01: 2907.91,1963.95 2922.04,1963.95
  L8_BOT w13.03: 2893.77,1966.37 2896.2,1963.95 2907.91,1963.95 ; 2922.04,1963.95 2936.18,1963.95 ; 3086.88,1146.45 3086.88,1155.41
  L8_BOT w14.05: R1031.2@2877.74,2014.04 2889.91,2014.04 2893.77,2010.18 ; v1(2972.02,1924.25) v1@2972.02,1928.11 ; 3059.73,984.88 3059.87,985.02 3059.87,989.02 Q1002.1@3047.45,1013.49 3061.02,1030.98 3086.88,1056.84 3086.88,1146.45
NetQ1002_3: Q1002.3 R1030.2 | length 153.1
  L8_BOT w9.96: 3022.56,1056.95 3022.56,991.82 3043.62,970.76
  L8_BOT w14.05: Q1002.3@3010.45,1092.49 3015.5,1064.01 3022.56,1056.95 ; R1030.2@3043.63,951.54 3043.62,970.76
NetQ1003_1: Q1003.1 R1032.2 R1033.1 | length 216.4
  L1_TOP w10.99: 3353.44,555.48 3353.44,556.2 3358.92,561.68 3358.92,563.24 3362.6,566.91 ; 3372.3,576.62 R1033.1@3382,586.32
  L1_TOP w12.01: 3343.19,547.51 3350.12,554.44 3352.4,554.44 3353.44,555.48
  L1_TOP w14.05: R1032.2@3261.11,637.95 3261.12,599.33 3322.65,537.8 3333.49,537.8 3343.19,547.51 ; 3362.6,566.91 3372.3,576.62 ; R1033.1@3382,586.32 R1033.1@3391.99,586.3